# Altium PCB S7CAS-PLEIADES-CARTE-MERE_Pxx.PcbDoc (part 4 of 8)
Units mil, origin at the board's own origin, x right, y up, seen from the top; angles counter-clockwise.
Board outline 8000 x 4000 mil, 14 copper layers (L1, L2 (GND), L3, L4 (GND), L5, L6 (GND), L7 (PWR), L8 (GND), L9 (PWR), L10 (GND), L11 (GND), L12, L13 (GND), L14), stack 81.971 mil thick; 686 components, 434 nets, 2811 pads, 1136 vias.
Unrouted connection lines stored in the file: 1167.
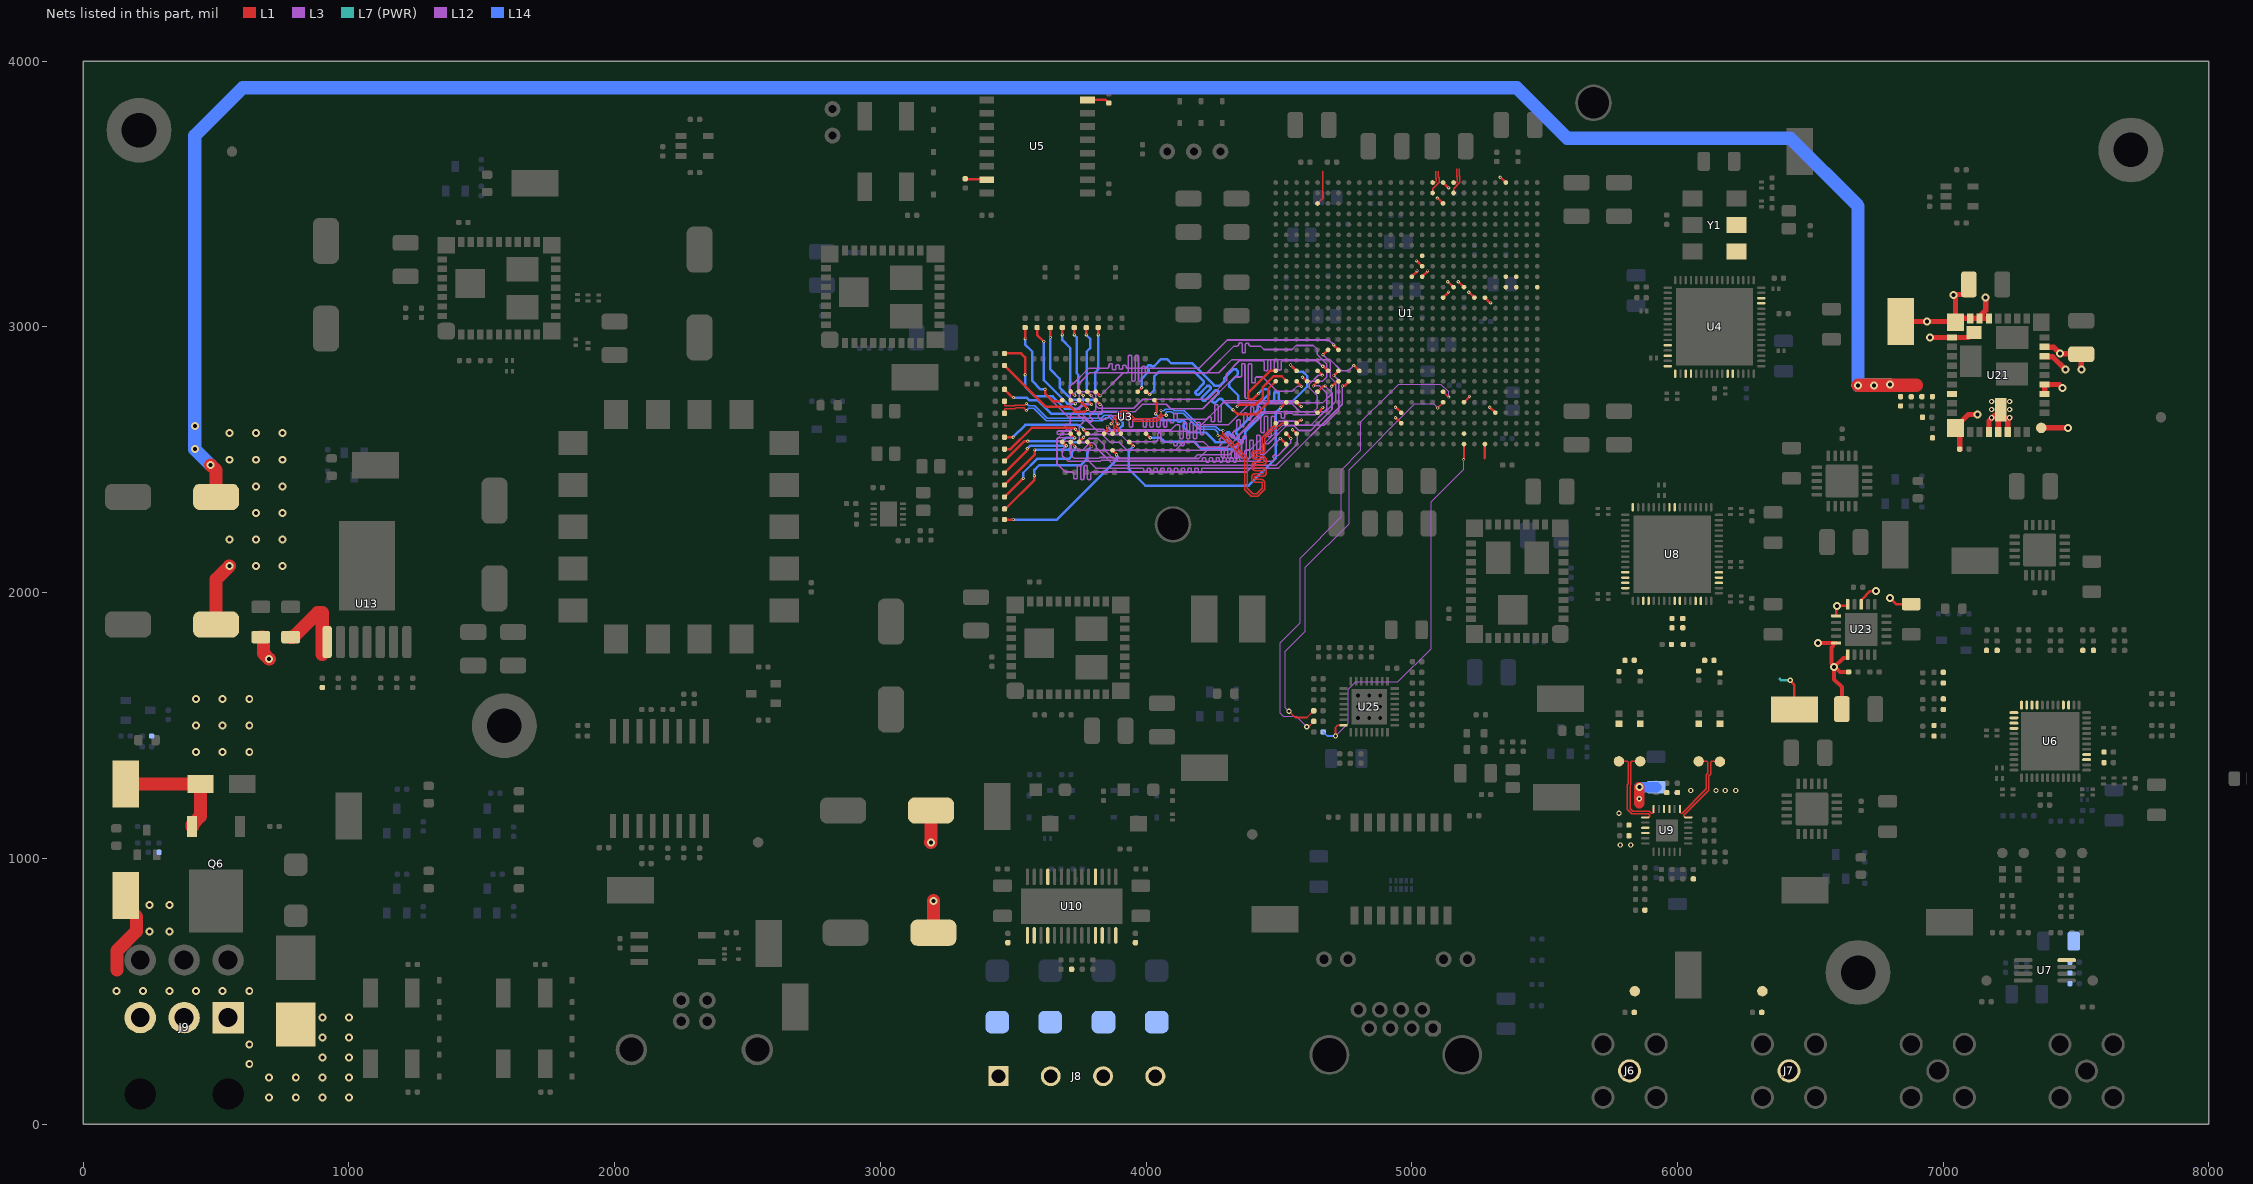
[diagram p15: the nets of this part, all layers, seen from the top]

## Via types
v1: diameter 12, hole 6, L1 to L14, tented both sides, 492 vias
v2: diameter 30, hole 15, L1 to L14, tented both sides, 226 vias
v3: diameter 20, hole 10, L1 to L14, tented both sides, 208 vias
v4: diameter 19.68, hole 7.87, L1 to L14, tented both sides, 106 vias
v5: diameter 19.68, hole 11.81, L1 to L14, tented both sides, 48 vias
v6: diameter 22, hole 12, L1 to L14, tented both sides, 27 vias
v7: diameter 19.68, hole 11.81, L1 to L14, 15 vias
v8: diameter 28, hole 14, L1 to L14, tented both sides, 10 vias
v9: diameter 19.68, hole 7.87, L1 to L14, 4 vias

## Nets (pads, with @x,y where several pads share a name; then routed paths per layer and width w, separated by ;. In a path a pad name is that pad's centre, name@x,y a point inside that pad or via, vN(x,y) a via of type N, cw(c..) or ccw(c..) an arc to the next point about the centre after c; other vN are vias at no path point) (continued)
24V_PROTECTED: C193.2 C196.2 C197.2 C198.1 C199.1 C221.2 C249.1 C250.1 C251.2 C252.2 C284.2 C285.2 D28.2 Q6.3 R137.2 R156.2 R247.2 TP19.1 U10.15 U10.28 U13.1 U21.26 | length 10281.6
  L1 w50: TP19.1@160,1280 D28.2@441.26,1280 441.26,1158.23 410.24,1127.2 Q6.3@410.24,1119.13 ; v2(480,2480) 500,2460 C250.1@500,2360 ; C249.1@500,1880 500,2050 v2(550,2100) ; C251.2@668.03,1832.41 677.03,1832.41 678.53,1830.91 678.53,1771.47 v2(700,1750) ; C252.2@780.75,1832.41 789.75,1832.41 882.35,1925 900,1925 900,1767.36 ; v2(3190,1060) 3190.71,1060.71 C199.1@3190.71,1180 ; C198.1@3200,720 v2(3200,840) ; v2(6680,2780) 6900,2780
  L14 w50: v2(480,2480) v2(420,2540) v2(420,2626.4) 420,3720 600,3900 5395,3900 5585,3710 6425,3710 6680,3455 v2(6680,2780) v2(6740,2780) v2@6802.48,2780
  other v2: 425,1400 525,1400 625,1400 425,1500 525,1500 625,1500 425,1600 525,1600 625,1600 650,2100 750,2100 550,2200 650,2200 750,2200 650,2300 750,2300 650,2400 750,2400 550,2500 650,2500 750,2500 550,2600 650,2600 750,2600 6799.27,2782.33
24V_RAW: F1.1 J9.1 J9.2 J9.3 R249.2 TP17.1 | length 324.2
  L1 w50: 127.59,580.89 127.59,653.01 200.29,725.71 200.29,780.93 164.07,817.15 TP17.1@164.07,860
  other v2: 700,100 800,100 900,100 1000,100 700,175 800,175 900,175 1000,175 625,225 900,250 1000,250 625,300 900,325 1000,325 900,400 1000,400 125,500 225,500 325,500 425,500 525,500 625,500 250,725 325,725 250,825 325,825
-5V: C141.2 C144.2 C145.2 C146.2 C161.2 C162.2 C164.2 C165.2 C166.2 C167.2 C283.2 R158.2 TP28.1 U7.4 U9.15 U9.16 U9.21 U9.22 U23.1 U23.20 | length 756.1
  L1 w9.39: v3(6425,1670) 6425,1667.13 6440,1652.13 TP28.1@6440,1560
  L1 w15: v2(6530,1810) 6530.1,1810.1 U23.20@6587.85,1810.1 ; U23.20@6597.45,1810.1 U23.20@6587.85,1810.1 ; C283.2@6618.95,1561.28 6618.95,1644.83 6590,1673.78 v2(6590,1720) ; U23.1@6640.76,1766.79 6640.76,1755.21 6640.15,1754.6 6624.6,1754.6 v2(6590,1720) ; R158.2@6644.44,1701.28 6611.94,1701.28 6593.22,1720 v2(6590,1720) ; U23.20@6587.85,1810.1 6586.25,1808.5 6586.25,1798.9 6580,1792.65 6580,1734.06 6590,1724.06 v2(6590,1720)
  L1 w40: 5857,1208 v2(5857,1268)
  L7 (PWR) w9.39: 6385,1675 6390,1670 v3(6425,1670)
  L14 w40: v2(5857,1268) C167.2@5920,1268
  other v3: 5785,1050 5825,1050 5780,1170 5857,1223.63 6050,1255 6145,1255 6180,1255 6220,1255
-7V: C218.2 C221.1 C282.2 C286.2 C287.2 R159.1 R160.1 TP30.1 U21.1 U21.4 U21.5 U21.8 U21.9 U21.16 U21.17 U21.18 U21.19 U21.20 U21.29 U21.32 U21.33 U21.34 U21.37 U21.40 U23.13 U23.15 U23.16 | length 1972.6
  L1 w9.39: U23.16@6597.45,1912.46 6597.45,1947.45 v2(6600,1950) 6638.57,1950 6640.76,1952.2 U23.15@6640.76,1955.77 ; U23.13@6691.94,1955.77 6694.14,1957.96 6694.14,1974.14 6725.44,2005.44 6745.44,2005.44 v2(6746.62,2006.62) ; v2(6800,1980) 6823,1957 C282.2@6880,1957
  L1 w20: TP30.1@6840,3020 v2(6940,3020) 7044.09,3020 U21.19@7046.61,3017.48 ; v2(6950,2960) 6950.39,2960.39 U21.20@7033.82,2960.39 7095.04,2960.39 7113.15,2978.5 U21.40@7116.3,2978.5 ; R159.1@7062.5,2540 7062.5,2603.96 U21.29@7046.61,2619.84 7046.61,2621.81 7094.8,2670 v2(7130,2670) ; C287.2@7097.01,3160 7097.01,3141.3 7077.62,3121.91 7041.91,3121.91 v2(7040,3120) 7040,3117.29 7046.61,3110.68 U21.19@7046.61,3017.48 ; v2(7160,3110) 7160,3061.97 7137.17,3039.13 U21.17@7137.17,3032.24 ; U21.32@7172.6,2605.08 7172.6,2645.63 7195.04,2668.07 ; U21.16@7172.6,3032.24 U21.17@7137.17,3032.24 ; U21.33@7208.03,2605.08 7208.03,2680.08 U21.37@7216.69,2688.74 ; U21.34@7243.46,2605.08 7243.46,2654.45 7247.05,2658.03 v7(7250.55,2658.03) ; U21.1@7369.45,2619.84 7469.84,2619.84 v2(7470,2620) ; U21.4@7382.24,2747.8 U21.5@7382.24,2783.23 7436.77,2783.23 v2(7450,2770) ; U21.8@7382.24,2889.53 7389.53,2889.53 7389.53,2889.13 7390.94,2887.72 7412.28,2887.72 v2(7460,2840) ; U21.9@7382.24,2924.96 7384.06,2923.15 7416.85,2923.15 v2(7440,2900) 7441.5,2898.5 7518.5,2898.5 C286.2@7520,2897.01 v2(7520,2840) ; U21.19@7046.61,3017.48 7061.38,3032.24 U21.18@7101.73,3032.24 U21.17@7137.17,3032.24
  other v7: 7182.83,2658.03 7182.83,2688.74 7250.55,2688.74 7182.83,2719.45 7250.55,2719.45
\MII_RST: R205.1 U1.A8 U25.32 | length 1512.1
  L1 w6.36: v3(4713,1460) 4713,1492 4722.26,1501.26 4743.39,1501.26 U25.32@4743.54,1501.42 ; v1@5195,2500 5196.84,2501.84 U1.A8@5196.84,2559.05
  L3 w3.64: v3(4713,1460) 4760.7,1507.7 4760.7,1635.31 4789.47,1664.08 4948.08,1664.08 5073.36,1789.36 5073.36,2342.75 5195,2464.39 v1(5195,2500.4)
  L14 w6.36: R205.1@4666.55,1475.51 4682.05,1460 v3(4713,1460)
\PLL_PWRD_CTRL: U1.E8 U4.12 | length 30.3
  L1 w9.39: U1.E8@5196.84,2716.53 5216.61,2736.3 5216.61,2737.89 v1(5217.11,2738.39)
\PLL_SYNC: U1.B8 U4.14
\STEP_EN: U1.D5 U10.26 | length 30.3
  L1 w9.39: v1(5293.09,2697.43) 5293.59,2696.93 5295.18,2696.93 U1.D5@5314.95,2677.16
\STEP_SR: U1.A6 U10.16 | length 53.7
  L1 w9.39: 5274,2506 5275.58,2507.58 U1.A6@5275.58,2559.05
A0: R27.2 U1.B24 U3.N3 | length 1970.8
  L1 w9.39: R27.2@3467.5,2900 3530,2900 3545,2885 v1(3545,2820) ; U3.N3@3779.52,2724.4 3779.52,2724.15 3795.27,2708.4 v1(3795.27,2708.14) ; v1(4551.93,2612.93) 4552.17,2612.93 4566.68,2598.42 U1.B24@4566.92,2598.42
  L3 w5.82: v1(3795.27,2708.14) 3794.75,2708.66 3758.66,2708.66 3715,2665 3715,2648.41 3715,2639.6 cw(c3709.18,2639.6) 3709.18,2633.78 3700.77,2633.78 ccw(c3700.77,2629.29) 3696.28,2629.29 3696.28,2625.44 ccw(c3700.77,2625.44) 3700.77,2620.95 3713.55,2620.95 cw(c3713.55,2616.47) 3718.04,2616.47 3718.04,2612.62 cw(c3713.55,2612.62) 3713.55,2608.13 3670.64,2608.13 ccw(c3670.64,2603.64) 3666.15,2603.64 3666.15,2599.8 ccw(c3670.64,2599.8) 3670.64,2595.31 3713.55,2595.31 cw(c3713.55,2590.82) 3718.04,2590.82 3718.04,2586.97 cw(c3713.55,2586.97) 3713.55,2582.49 3670.64,2582.49 ccw(c3670.64,2578) 3666.15,2578 3666.15,2574.15 ccw(c3670.64,2574.15) 3670.64,2569.66 3709.18,2569.66 cw(c3709.18,2563.84) 3715,2563.84 3715,2560.93 3715,2548.32 3718.04,2545.28 3718.04,2544.24 3726.38,2535.9 3727.42,2535.9 3728.32,2535 3759.87,2535 3789.1,2564.24 3800.9,2564.24 3812.42,2552.71 3812.42,2545.44 3877.87,2480 4490,2480 4570,2560 4570,2595 4552.07,2612.93 v1(4551.93,2612.93)
  L14 w9.36: v1(3545,2820) 3545,2775 3581.64,2738.36 3648.64,2738.36 3695,2692 3748.12,2692 3764.26,2708.14 v1(3795.27,2708.14)
A1: R28.2 U1.A25 U3.P7 | length 1679.5
  L1 w9.39: R28.2@3467.5,2540 3490.07,2540 3570.07,2620 3729.29,2620 3734.29,2615 v1(3735,2615) 3735.5,2614.5 3735.5,2613.2 3746.43,2602.27 3746.43,2600.01 U3.P7@3748.02,2598.42 ; v1(4505.07,2579.93) 4505.77,2579.93 4526.19,2559.52 U1.A25@4527.55,2559.52
  L12 w5.82: v1(3735,2615) 3733.99,2616.01 3702.62,2616.01 3665,2578.39 3665,2485 3696.18,2453.82 3708.82,2453.82 3722.33,2453.82 cw(c3722.33,2448) 3728.15,2448 3728.15,2432.23 ccw(c3732.64,2432.23) 3732.64,2427.74 3736.49,2427.74 ccw(c3736.49,2432.23) 3740.98,2432.23 3740.98,2473.85 cw(c3745.46,2473.85) 3745.46,2478.34 3749.31,2478.34 cw(c3749.31,2473.85) 3753.8,2473.85 3753.8,2429.98 ccw(c3758.29,2429.98) 3758.29,2425.5 3762.13,2425.5 ccw(c3762.13,2429.98) 3766.62,2429.98 3766.62,2473.85 cw(c3771.11,2473.85) 3771.11,2478.34 3774.96,2478.34 cw(c3774.96,2473.85) 3779.44,2473.85 3779.44,2429.98 ccw(c3783.93,2429.98) 3783.93,2425.5 3787.78,2425.5 ccw(c3787.78,2429.98) 3792.27,2429.98 3792.27,2448 cw(c3798.09,2448) 3798.09,2453.82 3801,2453.82 4378.82,2453.82 4504.93,2579.93 v1(4505.07,2579.93)
A2: R29.2 U1.G24 U3.P3 | length 1754
  L1 w9.39: R29.2@3467.5,2855 3623.75,2698.75 3716.25,2698.75 3735,2680 3769.29,2680 3779.29,2690 v1(3780,2690) 3779.5,2690.5 3779.5,2692.93 U3.P3@3748.02,2724.4 ; U1.G24@4566.92,2795.27 4566.92,2794.68 4585.05,2776.54 v1(4585.05,2775.95)
  L12 w5.82: v1(3780,2690) 3780.84,2690 3790.84,2680 3958,2680 3987.24,2709.24 4076.01,2709.24 4093.46,2691.78 4213.78,2691.78 4333.5,2811.5 4351,2811.5 4353.91,2811.5 ccw(c4353.91,2817.32) 4359.73,2817.32 4359.73,2856.6 cw(c4364.22,2856.6) 4364.22,2861.09 4368.07,2861.09 cw(c4368.07,2856.6) 4372.56,2856.6 4372.56,2735.99 ccw(c4377.04,2735.99) 4377.04,2731.5 4380.89,2731.5 ccw(c4380.89,2735.99) 4385.38,2735.99 4385.38,2856.6 cw(c4389.87,2856.6) 4389.87,2861.09 4393.71,2861.09 cw(c4393.71,2856.6) 4398.2,2856.6 4398.2,2793.62 ccw(c4402.69,2793.62) 4402.69,2789.13 4406.54,2789.13 ccw(c4406.54,2793.62) 4411.02,2793.62 4411.02,2805.68 cw(c4416.85,2805.68) 4416.85,2811.5 4431.75,2811.5 4439.5,2811.5 4493,2758 4550.55,2758 4568.5,2775.95 v1(4585.05,2775.95)
A3: R30.2 U1.B25 U3.N2 | length 1757.3
  L1 w9.39: v1(3775,2970) R30.2@3775,2997.5 ; U3.N2@3779.52,2755.9 v1(3793.27,2742.15) ; U1.B25@4526.36,2600 4544.5,2581.86 4544.5,2580.5 v1(4545,2580)
  L3 w5.82: v1(3793.27,2742.15) 3811.02,2724.4 3811.02,2689.02 3802.5,2680.5 3789.93,2667.93 ccw(c3794.04,2663.81) 3789.93,2659.69 3797.58,2652.04 cw(c3794.4,2648.87) 3797.58,2645.7 3794.86,2642.98 cw(c3791.68,2646.15) 3788.51,2642.98 3751.8,2679.69 ccw(c3748.63,2676.51) 3745.45,2679.69 3742.73,2676.97 ccw(c3745.91,2673.79) 3742.73,2670.62 3763.56,2649.79 cw(c3759.44,2645.68) 3763.56,2641.56 3761.5,2639.5 3749.24,2627.24 3749.24,2571.14 3755.38,2565 3770,2565 3785,2580 3818.13,2580 3842.76,2555.37 3842.76,2538.24 3887.15,2493.85 4192,2493.85 4206.57,2493.85 ccw(c4206.57,2499.67) 4212.39,2499.67 4212.39,2503.11 cw(c4216.88,2503.11) 4216.88,2507.6 4220.73,2507.6 cw(c4220.73,2503.11) 4225.22,2503.11 4225.22,2495.64 ccw(c4229.7,2495.64) 4229.7,2491.15 4233.55,2491.15 ccw(c4233.55,2495.64) 4238.04,2495.64 4238.04,2503.11 cw(c4242.53,2503.11) 4242.53,2507.6 4246.37,2507.6 cw(c4246.37,2503.11) 4250.86,2503.11 4250.86,2495.64 ccw(c4255.35,2495.64) 4255.35,2491.15 4259.2,2491.15 ccw(c4259.2,2495.64) 4263.68,2495.64 4263.68,2503.11 cw(c4268.17,2503.11) 4268.17,2507.6 4272.02,2507.6 cw(c4272.02,2503.11) 4276.51,2503.11 4276.51,2495.64 ccw(c4281,2495.64) 4281,2491.15 4284.84,2491.15 ccw(c4284.84,2495.64) 4289.33,2495.64 4289.33,2503.11 cw(c4293.82,2503.11) 4293.82,2507.6 4297.66,2507.6 cw(c4297.66,2503.11) 4302.15,2503.11 4302.15,2495.64 ccw(c4306.64,2495.64) 4306.64,2491.15 4310.49,2491.15 ccw(c4310.49,2495.64) 4314.98,2495.64 4314.98,2503.18 cw(c4319.46,2503.18) 4319.46,2507.67 4323.31,2507.67 cw(c4323.31,2503.18) 4327.8,2503.18 4327.8,2495.64 ccw(c4332.29,2495.64) 4332.29,2491.15 4336.13,2491.15 ccw(c4336.13,2495.64) 4340.62,2495.64 4340.62,2525.37 cw(c4345.11,2525.37) 4345.11,2529.86 4348.96,2529.86 cw(c4348.96,2525.37) 4353.44,2525.37 4353.44,2499.67 ccw(c4359.27,2499.67) 4359.27,2493.85 4375,2493.85 4422,2493.85 4424.91,2493.85 ccw(c4424.91,2499.67) 4430.73,2499.67 4430.73,2505.14 cw(c4435.22,2505.14) 4435.22,2509.63 4439.07,2509.63 cw(c4439.07,2505.14) 4443.56,2505.14 4443.56,2499.67 ccw(c4449.38,2499.67) 4449.38,2493.85 4467,2493.85 4475.44,2493.85 4478.3,2496.7 4480.35,2498.76 ccw(c4476.24,2502.88) 4480.35,2507 4478.97,2508.38 cw(c4482.14,2511.56) 4478.97,2514.73 4481.69,2517.45 cw(c4484.86,2514.28) 4488.04,2517.45 4489.42,2516.06 ccw(c4493.54,2520.18) 4497.66,2516.06 4528.3,2546.7 4544.28,2562.69 4544.28,2579.28 v1(4545,2580)
  L14 w9.36: v1(3775,2970) 3790,2955 3790,2920 3776.88,2906.88 3776.88,2758.54 v1(3793.27,2742.15)
A4: R31.2 U1.G22 U3.P8 | length 1888.5
  L1 w9.39: R31.2@3467.5,2405 3581.99,2519.49 v1(3581.99,2536.99) ; U3.P8@3748.02,2566.92 3748.02,2567.17 3765,2584.15 v1(3765,2584.4) ; v1(4630.18,2777.72) 4630.18,2778.43 4645.66,2793.91 U1.G22@4645.66,2795.27
  L3 w5.82: v1(3765,2584.4) 3775.6,2595 3835,2595 3864.59,2565.41 3898.81,2565.41 3929,2535.23 4295.23,2535.23 4405,2645 4411,2645 4413.91,2645 ccw(c4413.91,2650.82) 4419.73,2650.82 4419.73,2659.36 cw(c4424.22,2659.36) 4424.22,2663.85 4428.07,2663.85 cw(c4428.07,2659.36) 4432.56,2659.36 4432.56,2606.7 ccw(c4437.04,2606.7) 4437.04,2602.21 4440.89,2602.21 ccw(c4440.89,2606.7) 4445.38,2606.7 4445.38,2659.36 cw(c4449.87,2659.36) 4449.87,2663.85 4453.71,2663.85 cw(c4453.71,2659.36) 4458.2,2659.36 4458.2,2591.28 ccw(c4462.69,2591.28) 4462.69,2586.79 4466.54,2586.79 ccw(c4466.54,2591.28) 4471.02,2591.28 4471.02,2658.5 cw(c4475.51,2658.5) 4475.51,2662.99 4479.36,2662.99 cw(c4479.36,2658.5) 4483.85,2658.5 4483.85,2639.18 ccw(c4488.34,2639.18) 4488.34,2634.69 4492.18,2634.69 ccw(c4492.18,2639.18) 4496.67,2639.18 cw(c4502.49,2639.18) 4502.49,2645 4514,2645 4560,2645 4576,2629 4619,2629 4680,2690 4680,2751.5 4653.78,2777.72 v1(4630.18,2777.72)
  L14 w9.36: v1(3581.99,2536.99) 3706.63,2536.99 3716.01,2546.37 3716.01,2560.66 3721.49,2566.15 3746.73,2566.15 v1(3765,2584.4)
A5: R32.2 U1.K20 U3.P2 | length 1632.5
  L1 w9.39: v1(3730,2970) R32.2@3730,2997.5 ; U3.P2@3748.02,2755.9 3761.28,2742.65 3763.27,2742.65 v1(3763.77,2742.15) ; v1(4706.32,2932.39) 4706.32,2931.93 4724.4,2913.85 U1.K20@4724.4,2913.38
  L12 w5.82: v1(3763.77,2742.15) 3763.77,2707.65 3748.12,2692 3728,2692 3715.24,2704.76 3715.24,2765.37 3714.62,2765.98 3714.62,2777.78 3722.96,2786.11 3726.11,2786.11 3785,2845 3852,2845 3854.91,2845 ccw(c3854.91,2850.82) 3860.73,2850.82 3860.73,2857.51 cw(c3865.22,2857.51) 3865.22,2862 3869.07,2862 cw(c3869.07,2857.51) 3873.56,2857.51 3873.56,2842.87 ccw(c3878.04,2842.87) 3878.04,2838.38 3881.89,2838.38 ccw(c3881.89,2842.87) 3886.38,2842.87 3886.38,2852.33 cw(c3890.87,2852.33) 3890.87,2856.82 3894.71,2856.82 cw(c3894.71,2852.33) 3899.2,2852.33 3899.2,2845 ccw(c3903.69,2845) 3903.69,2840.51 3907.54,2840.51 ccw(c3907.54,2845) 3912.02,2845 3912.02,2850.82 cw(c3916.51,2850.82) 3916.51,2855.31 3920.36,2855.31 cw(c3920.36,2850.82) 3924.85,2850.82 ccw(c3930.67,2850.82) 3930.67,2845 4121,2845 4200,2845 4305.73,2950.73 4687.98,2950.73 v1(4706.32,2932.39)
  L14 w9.36: v1(3730,2970) 3739.38,2960.62 3739.38,2825.49 3744.87,2820 3744.87,2761.05 v1(3763.77,2742.15)
A6: R33.2 U1.K21 U3.R8 | length 1742.2
  L1 w9.39: R33.2@3467.5,2360 3537.5,2430 v1(3538,2430) ; U3.R8@3716.53,2566.92 3716.53,2566.41 3732.28,2550.66 v1(3732.28,2550.14) ; v1(4666.02,2895.3) 4666.49,2895.3 4684.57,2913.38 U1.K21@4685.03,2913.38
  L12 w5.82: v1(3732.28,2550.14) 3733.31,2550.14 3748.45,2535 4110,2535 4142.24,2567.24 4217.62,2567.24 4237.1,2547.76 4302.76,2547.76 4317.5,2562.5 4319.56,2564.56 ccw(c4315.44,2568.68) 4319.56,2572.79 4307.56,2584.79 cw(c4310.74,2587.96) 4307.56,2591.14 4310.28,2593.86 cw(c4313.46,2590.68) 4316.63,2593.86 4328.63,2581.86 ccw(c4332.74,2585.98) 4336.86,2581.86 4430,2675 4435,2680 4675,2680 4713.57,2718.57 4713.57,2790.3 4692.76,2811.1 4692.76,2868.56 v1(4666.02,2895.3)
  L14 w9.36: v1(3538,2430) 3538,2451.13 3589.87,2503 3710,2503 3720,2513 3720,2527.44 3731.77,2539.22 3731.77,2549.63 v1(3732.28,2550.14)
A7: R34.2 U1.G23 U3.R2 | length 1647.4
  L1 w9.39: v1(3685,2970) R34.2@3685,2997.5 ; U3.R2@3716.53,2755.9 3729.78,2742.65 3731.78,2742.65 v1(3732.28,2742.15) ; v1(4588.74,2810.76) 4589.45,2810.76 4604.93,2795.27 U1.G23@4606.29,2795.27
  L12 w5.82: v1(3732.28,2742.15) 3733.46,2743.33 3733.46,2752.7 3746.51,2765.75 3746.51,2786.36 3787.39,2827.24 4230.39,2827.24 4331.15,2928 4340,2928 4342.91,2928 ccw(c4342.91,2933.82) 4348.73,2933.82 4348.73,2935.1 cw(c4353.22,2935.1) 4353.22,2939.59 4357.07,2939.59 cw(c4357.07,2935.1) 4361.56,2935.1 4361.56,2907.06 ccw(c4366.04,2907.06) 4366.04,2902.57 4369.89,2902.57 ccw(c4369.89,2907.06) 4374.38,2907.06 4374.38,2933.82 cw(c4378.87,2933.82) 4378.87,2938.31 4382.71,2938.31 cw(c4382.71,2933.82) 4387.2,2933.82 ccw(c4393.02,2933.82) 4393.02,2928 4414,2928 4431,2928 4444,2915 4550,2915 4565,2930 4630,2930 4645,2915 4645,2895 4680,2860 4680,2811 4665,2796 4603.5,2796 v1(4588.74,2810.76)
  L14 w9.36: v1(3685,2970) 3685,2950 3715,2920 3715,2780.66 3712.85,2778.51 3712.85,2765.25 3715,2763.1 3715,2759.42 v1(3732.28,2742.15)
A8: R35.2 U1.H20 U3.T8 | length 1639.2
  L1 w9.39: R35.2@3467.5,2450 3552.5,2535 3552.5,2541.5 v1(3553,2542) ; U3.T8@3685.03,2566.92 3685.55,2566.92 3699.48,2553 v1(3700,2553) ; v1(4707,2817) 4707,2817.12 4724.4,2834.52 U1.H20@4724.4,2834.64
  L12 w5.82: v1(3700,2553) 3685,2538 3685,2515 3706.15,2493.85 3827.63,2493.85 3831.1,2497.33 3874.78,2497.33 3878.49,2493.62 4378.66,2493.62 4514.04,2629 4669,2629 4725,2685 4725,2799 v1(4707,2817)
  L14 w9.36: v1(3553,2542) 3553.71,2542 3564.71,2553 v1(3700,2553)
A9: R36.2 U1.H21 U3.R3 | length 1736.9
  L1 w9.39: R36.2@3590,2997.5 3590,2970 v1(3615,2945) ; U3.R3@3716.53,2724.4 3730.3,2710.63 3733.25,2710.63 v1(3733.75,2710.13) ; v1(4665,2851.58) 4665.5,2851.08 4668.59,2851.08 U1.H21@4685.03,2834.64
  L12 w5.82: v1(3733.75,2710.13) 3748.02,2724.4 3748.02,2748.02 3756.38,2756.38 3799.17,2756.38 3811.02,2744.54 3811.02,2704.27 3821.29,2694 3840,2694 3877.57,2694 3954,2694 3988,2728 4028,2728 4095,2728 4233,2728 4303,2798 4303,2824 4351.24,2872.24 4423.15,2872.24 4438.89,2872.24 cw(c4438.89,2866.41) 4444.71,2866.41 4444.71,2839.73 ccw(c4449.2,2839.73) 4449.2,2835.24 4453.04,2835.24 ccw(c4453.04,2839.73) 4457.53,2839.73 4457.53,2872.45 cw(c4462.02,2872.45) 4462.02,2876.94 4465.87,2876.94 cw(c4465.87,2872.45) 4470.35,2872.45 4470.35,2839.73 ccw(c4474.84,2839.73) 4474.84,2835.24 4478.69,2835.24 ccw(c4478.69,2839.73) 4483.18,2839.73 4483.18,2872.45 cw(c4487.67,2872.45) 4487.67,2876.94 4491.51,2876.94 cw(c4491.51,2872.45) 4496,2872.45 4496,2842.19 ccw(c4500.49,2842.19) 4500.49,2837.7 4504.33,2837.7 ccw(c4504.33,2842.19) 4508.82,2842.19 4508.82,2866.41 cw(c4514.65,2866.41) 4514.65,2872.24 4530.15,2872.24 4642.76,2872.24 4663.42,2851.58 v1(4665,2851.58)
  L14 w9.36: v1(3615,2945) 3615,2800 3704.36,2710.64 3733.25,2710.64 v1(3733.75,2710.13)
A10: R37.2 U1.H22 U3.L7 | length 2082.2
  L1 w9.39: R37.2@3467.5,2765 3498,2734.5 3500.52,2734.5 v1(3501.02,2734) ; U3.L7@3842.51,2598.42 3842.51,2600.67 3854.5,2612.66 3854.5,2624.5 v1(3855,2625) ; U1.H22@4645.66,2834.64 4646.65,2834.64 4662.86,2818.43 v1(4663.57,2818.43)
  L3 w5.82: v1(3855,2625) 3868,2612 4093.28,2612 4109,2627.72 4113.19,2631.91 4121.16,2631.91 cw(c4121.16,2626.09) 4126.98,2626.09 4126.98,2584.06 ccw(c4131.47,2584.06) 4131.47,2579.57 4135.31,2579.57 ccw(c4135.31,2584.06) 4139.8,2584.06 4139.8,2636.04 cw(c4144.29,2636.04) 4144.29,2640.52 4148.14,2640.52 cw(c4148.14,2636.04) 4152.62,2636.04 4152.62,2584.07 ccw(c4157.11,2584.07) 4157.11,2579.58 4160.96,2579.58 ccw(c4160.96,2584.07) 4165.45,2584.07 4165.45,2636.04 cw(c4169.93,2636.04) 4169.93,2640.52 4173.78,2640.52 cw(c4173.78,2636.04) 4178.27,2636.04 4178.27,2583.94 ccw(c4182.76,2583.94) 4182.76,2579.45 4186.6,2579.45 ccw(c4186.6,2583.94) 4191.09,2583.94 4191.09,2636.04 cw(c4195.58,2636.04) 4195.58,2640.52 4199.43,2640.52 cw(c4199.43,2636.04) 4203.91,2636.04 4203.91,2598.72 ccw(c4208.4,2598.72) 4208.4,2594.23 4212.25,2594.23 ccw(c4212.25,2598.72) 4216.74,2598.72 4216.74,2626.09 cw(c4222.56,2626.09) 4222.56,2631.91 4232.3,2631.91 4310.91,2631.91 4331.01,2652.01 4331.01,2652.38 4365.81,2687.18 4366.18,2687.18 4389,2710 4550,2710 4579.01,2680.99 4630.89,2680.99 4645,2695.1 4645,2740 4615,2770 4615,2785 4648.43,2818.43 v1(4663.57,2818.43)
  L14 w9.36: v1(3501.02,2734) 3550.64,2734 3560.96,2723.67 3593.33,2723.67 3643.01,2673.99 3832.49,2673.99 3838.49,2680 3893.02,2680 3902.31,2670.71 3902.31,2650.89 3911.59,2641.6 3911.59,2628.34 3890.53,2607.28 3872.72,2607.28 v1(3855,2625)